# KiCad board HPM5300_ADC_EVK_RevA.kicad_pcb
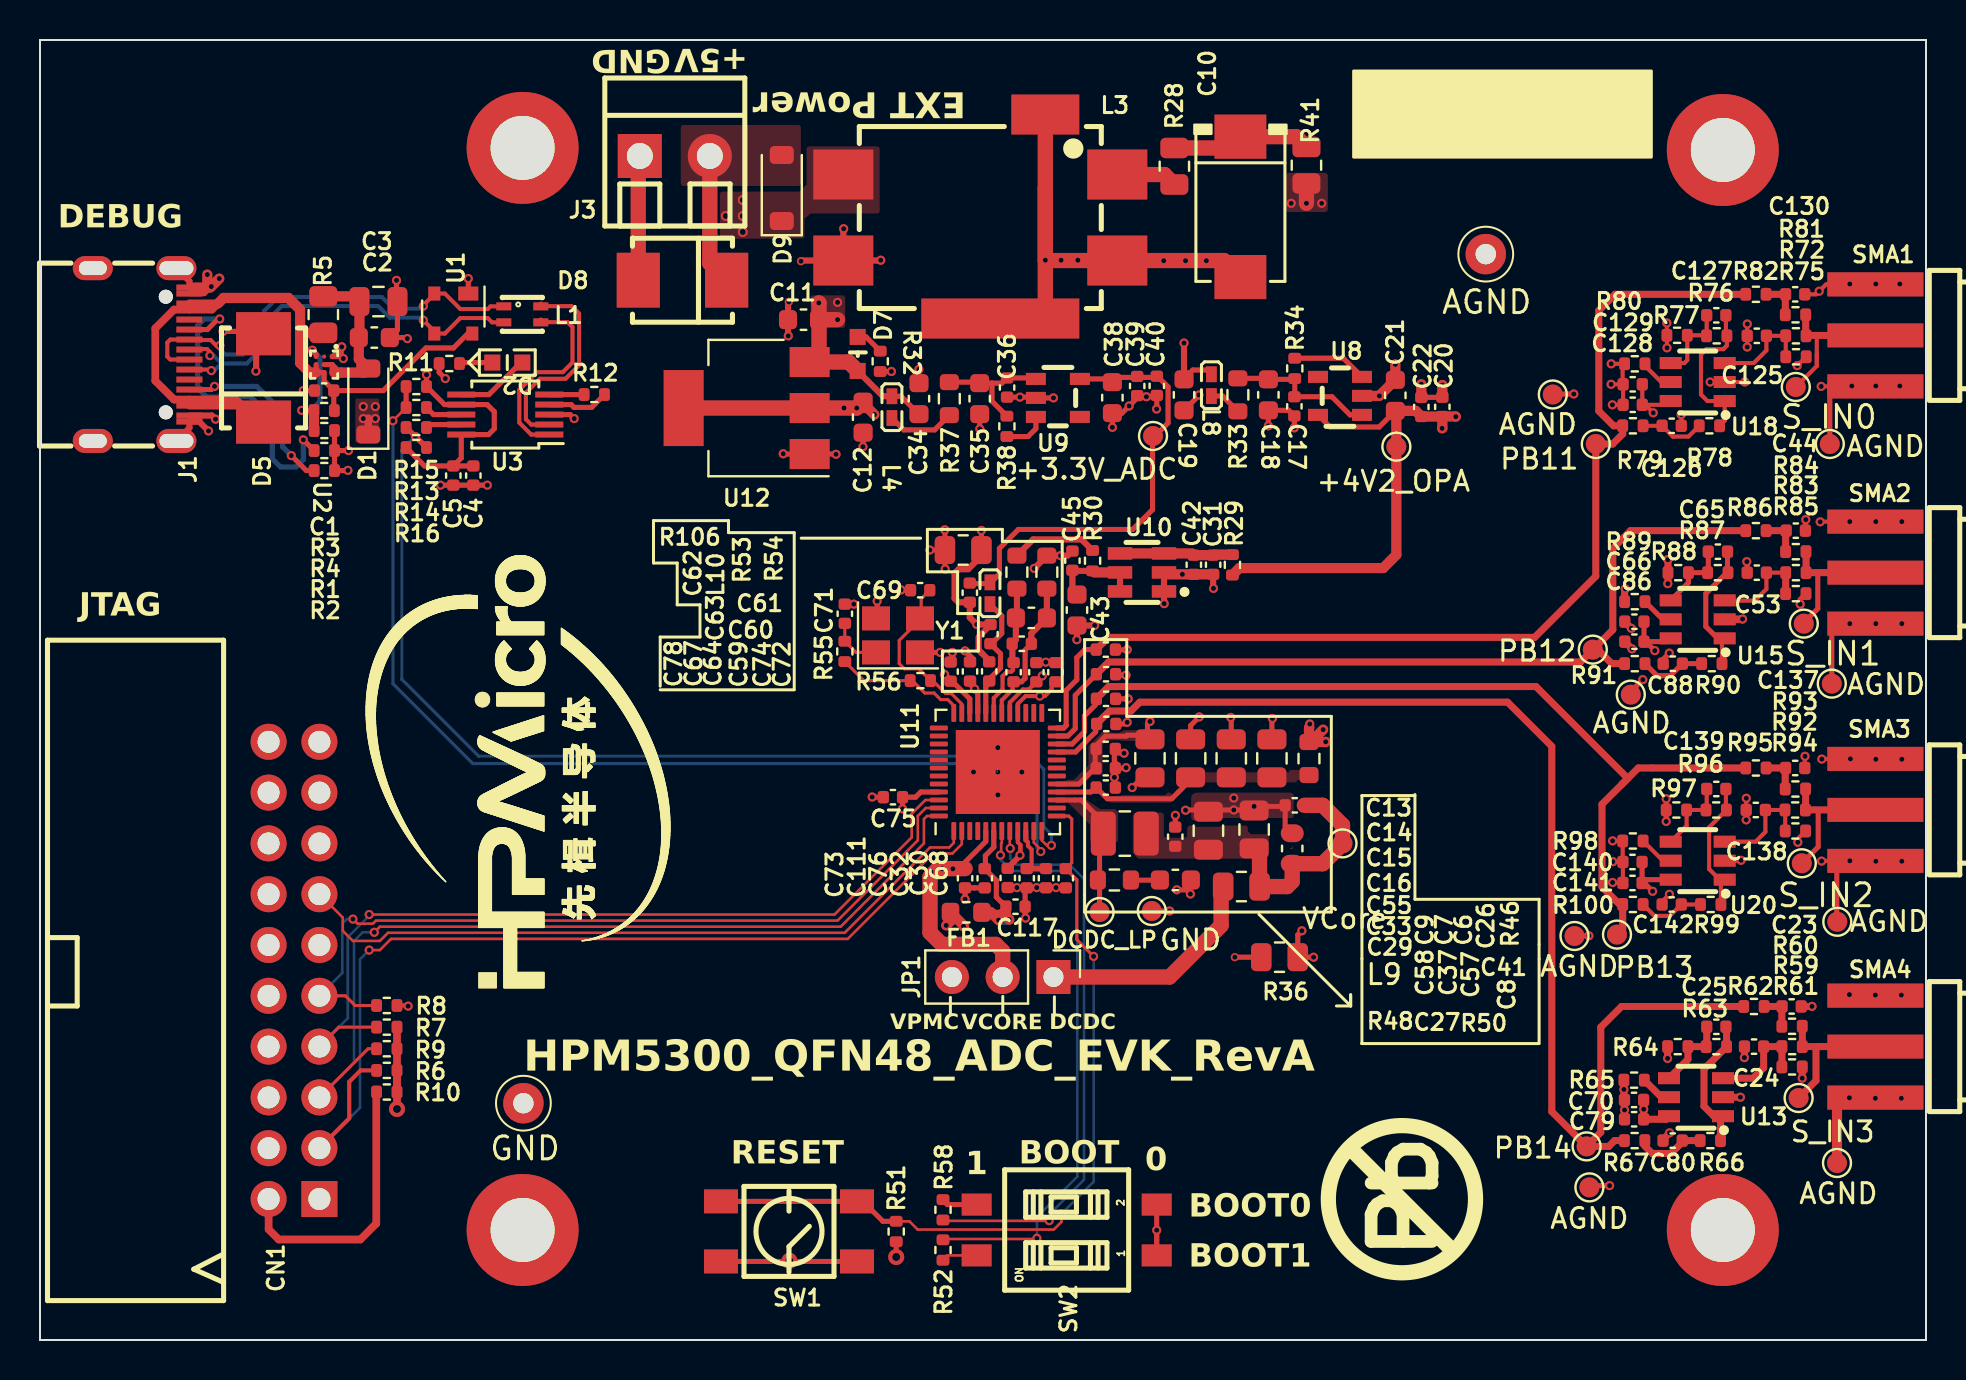
[diagram p0: board, top side]
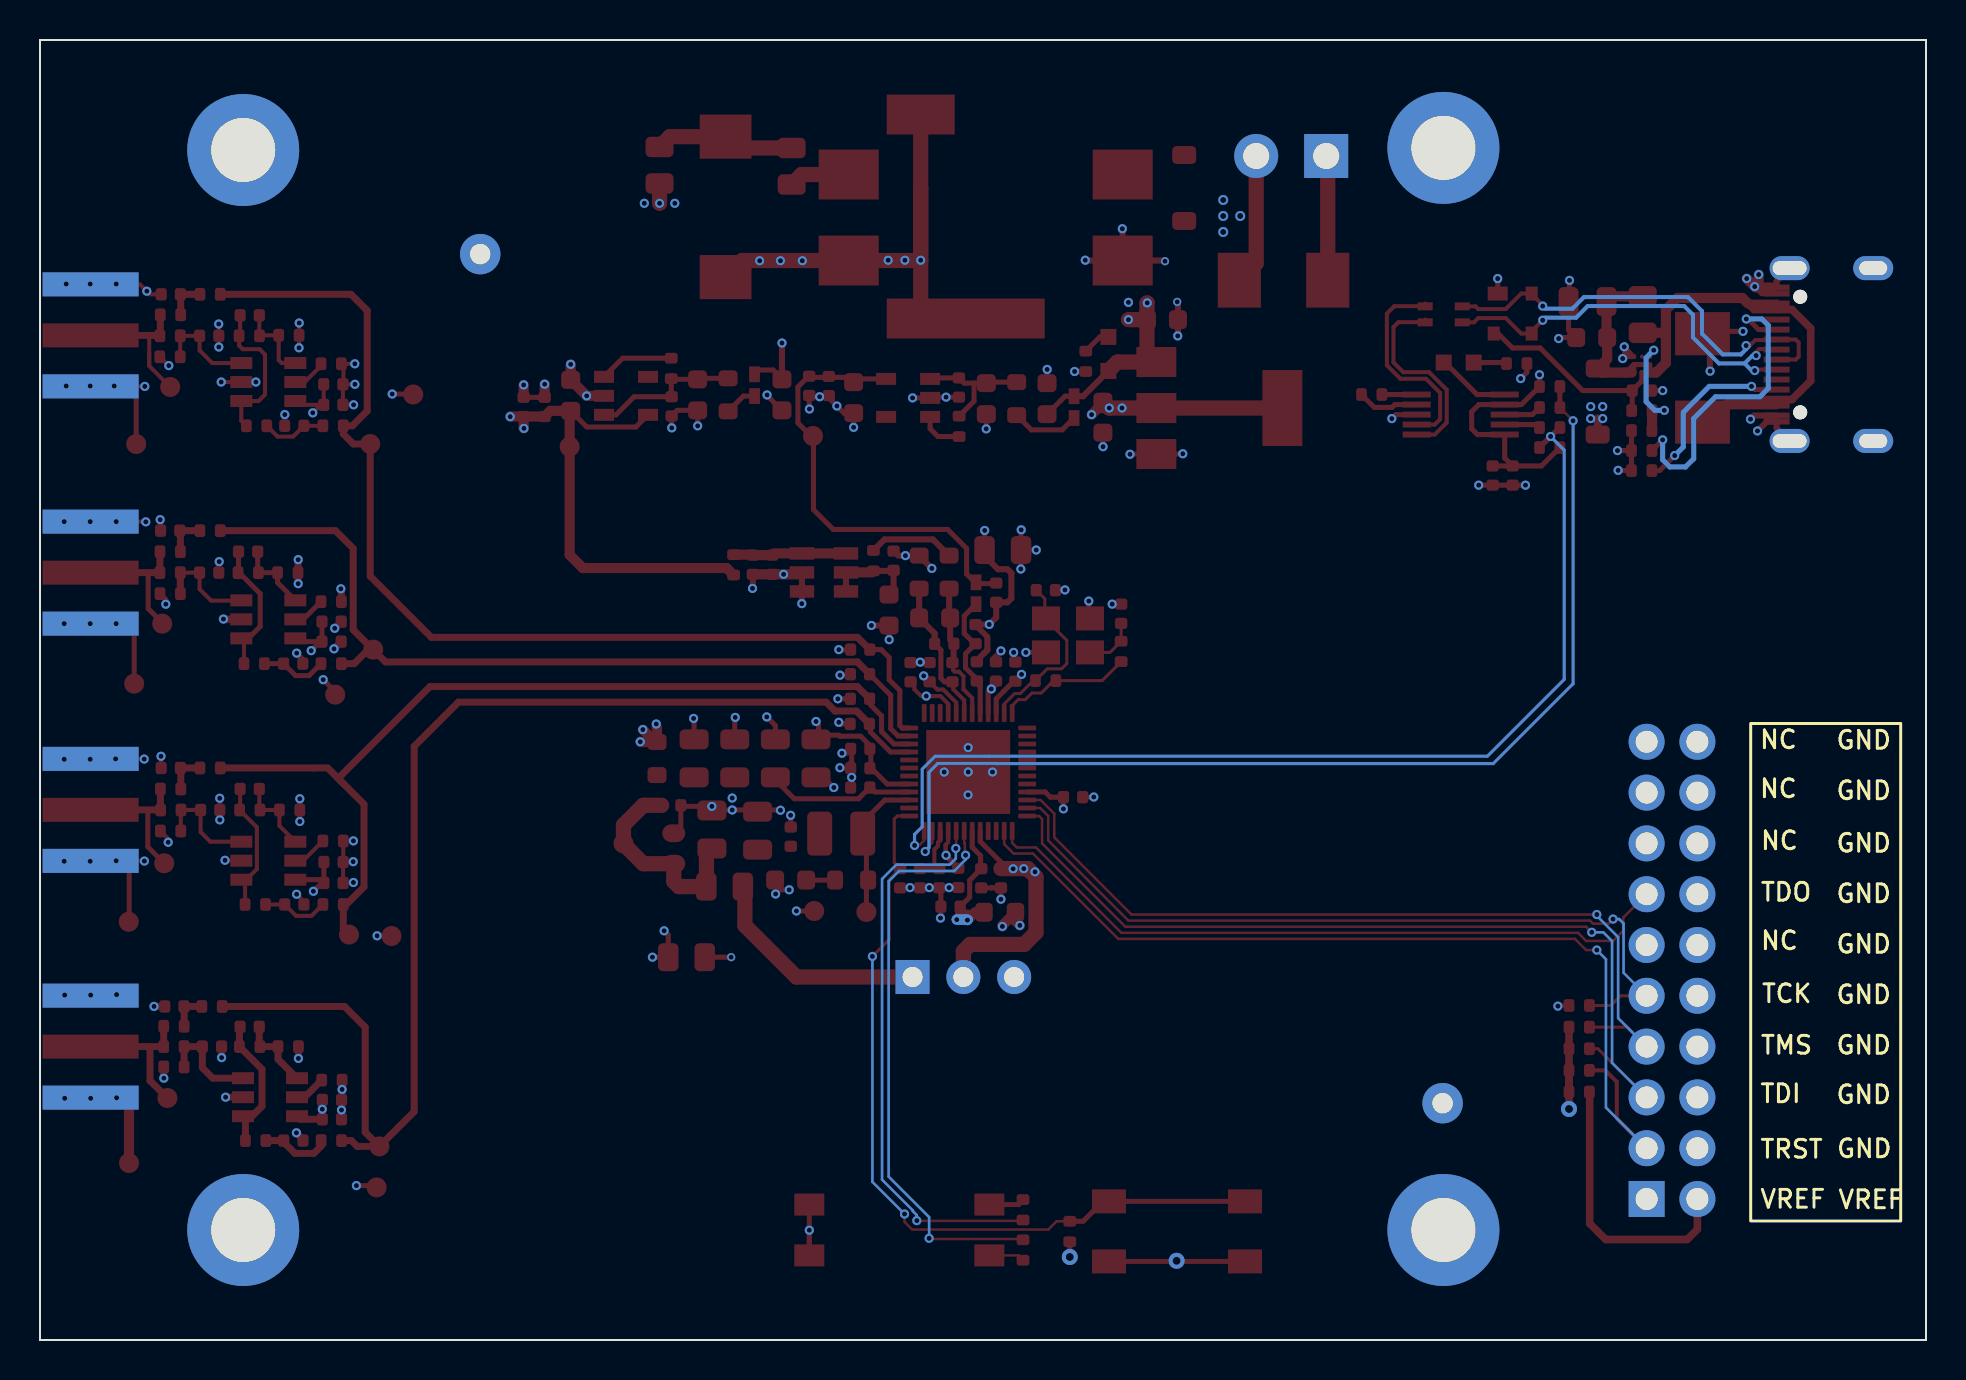
[diagram p1: board, bottom side, seen from below]

Outline 94.3 x 65 mm; copper layers: Top, In1.Cu, In2.Cu, Bottom. Coordinates in mm from the lower left corner of the outline.
Outline path: 0,65 94.3,65 94.3,0 0,0 0,65
Stack: Top 0.0351mm / dielectric 0.2103mm FR4 er 4.36 / In1.Cu 0.0152mm / dielectric 1.065mm FR4 er 4.43 / In2.Cu 0.0152mm / dielectric 0.2103mm FR4 er 4.36 / Bottom 0.0351mm

## Placement (name value [footprint] x y rotation side)
C1  0.1uF,50V  [C_0402_1005Metric]  14.21 47.47 180 top
C2  4.7uF,10V  [C_0603_1608Metric]  16.72 50.12 0 top
C3  22uF,10V  [C_0805_2012Metric]  16.92 51.92 0 top
C4  4.7uF,16V  [C_0402_1005Metric]  21.67 43.22 270 top
C5  0.1uF,16V  [C_0402_1005Metric]  20.67 43.22 270 top
C6  22uF,10V_0805  [C_0805_2012Metric]  59.56 29.08 90 top
C7  22uF,10V_0805  [C_0805_2012Metric]  57.53 29.08 90 top
C8  22uF,10V_0603  [C_0603]  62.61 24.58 90 top
C9  22uF,10V_0805  [C_0805_2012Metric]  55.5 29.08 270 top
C10  T491D107K016AT  [CAP-SMD_L7.3-W4.3-R-RD]  60.02 56.66 90 top
C11  10uF,10V  [C_0603_1608Metric]  38.18 51.02 180 top
C12  10uF,10V  [C_0603_1608Metric]  41.16 46.14 270 top
C13  10nF,50V  [C_0402_1005Metric]  53.29 34.52 0 top
C14  10nF,50V  [C_0402_1005Metric]  53.3 33.29 0 top
C15  10nF,50V  [C_0402_1005Metric]  53.3 32.06 0 top
C16  10nF,50V  [C_0402_1005Metric]  53.31 30.8 0 top
C17  0.1uF,16V  [C_0402_1005Metric]  62.72 46.68 270 top
C18  10uF,10V  [C_0603_1608Metric]  61.42 47.26 270 top
C19  10uF,10V  [C_0603_1608Metric]  57.2 47.26 270 top
C20  10nF,50V  [C_0402_1005Metric]  70.12 46.66 90 top
C21  10uF,10V  [C_0603_1608Metric]  67.77 47.23 90 top
C22  0.1uF,16V  [C_0402_1005Metric]  69.07 46.65 90 top
C23  10nF,50V  [C_0402_1005Metric]  87.58 16.68 0 top
C24  10pF,50V  [C_0402_1005Metric]  85.7 14.67 180 top
C25  1nF,50V  [C_0402_1005Metric]  83.82 15.66 180 top
C26  22uF,10V_0805  [C_0805_2012Metric]  61.59 29.08 90 top
C27  2200pF, 50V  [C_0603_1608Metric]  56.77 23 0 top
C29  0.1uF,16V  [C_0402_1005Metric]  53.29 27.62 0 top
C30  4.7uF,16V  [C_0402_1005Metric]  50.3 23.09 270 top
C31  10uF,10V  [C_0402_1005Metric]  58.66 38.76 270 top
C32  0.1uF,16V  [C_0402_1005Metric]  49.33 23.09 270 top
C33  4.7uF,16V  [C_0402_1005Metric]  53.29 28.59 0 top
C34  10uF,10V  [C_0603_1608Metric]  43.95 47.07 90 top
C35  10uF,10V  [C_0603_1608Metric]  46.98 47.07 270 top
C36  0.1uF,16V  [C_0402_1005Metric]  48.35 47.62 270 top
C37  22uF,10V_0805  [C_0805_2012Metric]  58.42 25.47 90 top
C38  10uF,10V  [C_0603_1608Metric]  53.62 47.12 270 top
C39  0.1uF,16V  [C_0402_1005Metric]  54.86 47.7 270 top
C40  10nF,50V  [C_0402_1005Metric]  55.84 47.71 270 top
C41  0.1uF,16V  [C_0402_1005Metric]  62.74 26.73 180 top
C42  0.1uF,16V  [C_0402_1005Metric]  57.69 38.76 270 top
C43  22uF,10V  [C_0603_1608Metric]  51.85 36.5 270 top
C44  10nF,50V  [C_0402_1005Metric]  87.79 40.47 0 top
C45  0.1uF,16V  [C_0402_1005Metric]  51.62 38.97 90 top
C53  10pF,50V  [C_0402_1005Metric]  85.84 38.37 180 top
C55  0.1uF,16V  [C_0402_1005Metric]  53.29 29.55 0 top
C57  22uF,10V_0805  [C_0805_2012Metric]  60.71 25.53 90 top
C58  0.1uF,16V  [C_0402_1005Metric]  56.76 25.17 90 top
C59  0.1uF,16V  [C_0402_1005Metric]  48.68 33.39 270 top
C60  4.7uF,16V  [C_0402_1005Metric]  49.09 34.81 0 top
C61  10uF,10V  [C_0603_1608Metric]  49.57 36.11 0 top
C62  0.1uF,16V  [C_0402_1005Metric]  46.49 37.37 270 top
C63  4.7uF,16V  [C_0402_1005Metric]  47.52 35.29 90 top
C64  0.1uF,16V  [C_0402_1005Metric]  47.46 33.43 90 top
C65  1nF,50V  [C_0402_1005Metric]  83.89 39.42 180 top
C66  0.1uF,16V  [C_0402_1005Metric]  79.72 35.92 180 top
C67  0.1uF,16V  [C_0402_1005Metric]  46.5 33.43 90 top
C68  0.1uF,16V  [C_0402_1005Metric]  51.29 23.09 270 top
C69  18pF,50V  [C_0402_1005Metric]  44.01 37.49 180 top
C70  0.1uF,16V  [C_0402_1005Metric]  79.7 12 180 top
C71  18pF,50V  [C_0402_1005Metric]  40.24 36.31 90 top
C72  0.1uF,16V  [C_0402_1005Metric]  50.77 33.39 90 top
C73  0.1uF,16V  [C_0402_1005Metric]  46.25 23.09 270 top
C74  0.1uF,16V  [C_0402_1005Metric]  49.82 33.39 90 top
C75  0.1uF,16V  [C_0402_1005Metric]  42.65 27.14 180 top
C76  0.1uF,16V  [C_0402_1005Metric]  48.39 23.1 270 top
C78  0.1uF,16V  [C_0402_1005Metric]  45.53 33.42 90 top
C79  1uF,16V  [C_0402_1005Metric]  79.71 11.04 180 top
C80  10nF,50V  [C_0402_1005Metric]  81.63 9.97 180 top
C86  1uF,16V  [C_0402_1005Metric]  79.72 34.92 180 top
C88  10nF,50V  [C_0402_1005Metric]  81.64 33.82 180 top
C111  0.1uF,16V  [C_0402_1005Metric]  47.24 23.09 270 top
C117  10uF,10V  [C_0402_1005Metric]  48.78 21.67 0 top
C125  10pF,50V  [C_0402_1005Metric]  85.84 50.21 180 top
C126  10nF,50V  [C_0402_1005Metric]  81.58 45.71 0 top
C127  1nF,50V  [C_0402_1005Metric]  83.81 51.23 180 top
C128  1uF,16V  [C_0402_1005Metric]  79.64 46.76 180 top
C129  0.1uF,16V  [C_0402_1005Metric]  79.64 47.78 180 top
C130  10nF,50V  [C_0402_1005Metric]  87.76 52.28 0 top
C137  10nF,50V  [C_0402_1005Metric]  87.76 28.6 0 top
C138  10pF,50V  [C_0402_1005Metric]  85.79 26.5 180 top
C139  1nF,50V  [C_0402_1005Metric]  83.81 27.55 180 top
C140  0.1uF,16V  [C_0402_1005Metric]  79.62 23.9 180 top
C141  1uF,16V  [C_0402_1005Metric]  79.62 22.85 180 top
C142  10nF,50V  [C_0402_1005Metric]  81.58 21.78 180 top
CN1  2.54-2*10P弯简牛  [IDC-TH_20P_90°]  12.7 18.48 270 top
D1  1N5819HW-7-F  [D_SOD-123]  16.42 46.92 90 top
D2  LED GREEN  [LED]  23.37 48.87 180 top
D5  SMB/DO-214AA_P6SMB6.8CA  [SMB(DO-214AA)_S1]  11.18 48.1 90 top
D7  LED_RED  [LED0603]  40.88 49.3 90 top
D8  SMB/DO-214AA_P6SMB6.8CA  [SMB(DO-214AA)_S1]  32.12 52.99 180 top
D9  1N5819HW-7-F  [D_SOD-123]  37.09 57.6 90 top
FB1  600Ω@100MHz_1.3A  [L_0603_1608Metric]  46.31 21.39 180 top
H1  MountingHole  [MountingHole_3.2mm_M3_DIN965_Pad]  24.13 5.5 0 top
H2  MountingHole  [MountingHole_3.2mm_M3_DIN965_Pad#2]  24.13 59.5 0 top
H3  MountingHole  [MountingHole_3.2mm_M3_DIN965_Pad]  84.14 59.5 0 top
H4  MountingHole  [MountingHole_3.2mm_M3_DIN965_Pad]  84.14 5.5 0 top
J1  KH-TYPE-C-16P  [USB-C-SMD_KH-TYPE-C-16P]  5.06 49.27 270 top
J3  DB125-3.5-2P-GN-S  [CONN-TH_2P-P3.50_L7.4-W7.0]  31.74 59.2 0 top
JP1  Jumper_3_Bridged12  [PinHeader_1x03_P2.54mm_Vertical]  50.67 18.15 270 top
L1  DLW21SN900SQ2L  [SMD_4P_DLW21H]  24.12 51.28 0 top
L3  BNX024H01L  [FILTER-SMD_BNX022-01L]  47.02 56.17 0 top
L4  BLM15AG102SN1D  [L0402]  42.6 46.64 270 top
L8  BLM15AG102SN1D  [L0402]  58.57 47.74 270 top
L9  4.7uH  [L_1008_2520Metric]  54.24 25.32 0 top
L10  BLM15AG102SN1D  [L0402]  47.5 37.34 270 top
R1  5.1K  [R_0402_1005Metric]  14.22 44.47 0 top
R2  5.1K  [R_0402_1005Metric]  14.22 43.47 0 top
R3  1M  [R_0402_1005Metric]  14.21 46.47 180 top
R4  249K  [R_0402_1005Metric]  14.22 45.47 180 top
R5  0R  [R_0805_2012Metric]  14.17 51.27 270 top
R6  10K  [R_0402_1005Metric]  17.34 13.48 180 top
R7  10K  [R_0402_1005Metric]  17.34 15.64 0 top
R8  10K  [R_0402_1005Metric]  17.34 16.72 180 top
R9  10K  [R_0402_1005Metric]  17.34 14.56 0 top
R10  0Ω  [R_0402_1005Metric]  17.34 12.4 0 top
R11  1K  [R_0402_1005Metric]  20.47 48.82 180 top
R12  2K  [R_0402_1005Metric]  27.72 47.27 180 top
R13  33Ω  [R_0402_1005Metric]  18.82 46.62 180 top
R14  33Ω  [R_0402_1005Metric]  18.82 45.62 180 top
R15  5.1K  [R_0402_1005Metric]  18.82 47.67 180 top
R16  5.1K  [R_0402_1005Metric]  18.82 44.62 0 top
R28  1Ω  [R_0805_2012Metric]  56.72 58.69 90 top
R29  0Ω  [R_0402_1005Metric]  59.62 38.76 90 top
R30  0Ω  [R_0402_1005Metric]  52.63 38.97 90 top
R32  2K  [R_0402_1005Metric]  42.01 48.93 270 top
R33  10Ω  [R_0603_1608Metric]  59.89 47.26 90 top
R34  10K  [R_0402_1005Metric]  62.74 48.58 270 top
R36  0Ω  [R_0805_2012Metric]  61.98 19.14 0 top
R37  10Ω  [R_0603_1608Metric]  45.47 47.07 90 top
R38  10K  [R_0402_1005Metric]  48.34 45.68 90 top
R41  0Ω  [R_0805_2012Metric]  63.32 58.74 270 top
R46  0Ω  [R_0603_1608Metric]  63.45 29.07 270 top
R48  10Ω  [R_0603_1608Metric]  53.72 23 180 top
R50  0Ω  [R_0805_2012Metric]  60.07 22.67 180 top
R51  10K  [R_0402_1005Metric]  42.81 5.42 90 top
R52  1K  [R_0402_1005Metric]  45.15 4.5 90 top
R53  0Ω  [R_0603_1608Metric]  48.84 38.39 90 top
R54  0Ω  [R_0603_1608Metric]  50.34 38.39 90 top
R55  0Ω  [R_0402_1005Metric]  40.24 34.43 270 top
R56  2M  [R_0402_1005Metric]  44.02 32.97 180 top
R58  1K  [R_0402_1005Metric]  45.15 6.51 270 top
R59  49.9Ω  [R_0402_1005Metric]  87.61 14.67 180 top
R60  49.9Ω  [R_0402_1005Metric]  87.6 15.69 180 top
R61  49.9Ω  [R_0402_1005Metric]  87.6 13.65 180 top
R62  0Ω  [R_0402_1005Metric]  85.7 16.68 180 top
R63  0Ω  [R_0402_1005Metric]  83.82 14.67 180 top
R64  1K  [R_0402_1005Metric]  81.89 14.67 180 top
R65  0Ω  [R_0402_1005Metric]  79.71 12.99 180 top
R66  2.2Ω  [R_0402_1005Metric]  83.52 9.97 180 top
R67  0Ω  [R_0402_1005Metric]  79.73 9.97 180 top
R72  49.9Ω  [R_0402_1005Metric]  87.8 50.21 180 top
R75  49.9Ω  [R_0402_1005Metric]  87.8 49.16 180 top
R76  0Ω  [R_0402_1005Metric]  83.83 50.21 180 top
R77  1K  [R_0402_1005Metric]  81.86 50.23 180 top
R78  2.2Ω  [R_0402_1005Metric]  83.47 45.71 180 top
R79  0Ω  [R_0402_1005Metric]  79.64 45.71 180 top
R80  0Ω  [R_0402_1005Metric]  79.74 48.81 180 top
R81  49.9Ω  [R_0402_1005Metric]  87.77 51.26 180 top
R82  0Ω  [R_0402_1005Metric]  85.8 52.28 180 top
R83  49.9Ω  [R_0402_1005Metric]  87.8 38.37 180 top
R84  49.9Ω  [R_0402_1005Metric]  87.79 39.42 180 top
R85  49.9Ω  [R_0402_1005Metric]  87.79 37.32 180 top
R86  0Ω  [R_0402_1005Metric]  85.8 40.47 180 top
R87  0Ω  [R_0402_1005Metric]  83.89 38.37 180 top
R88  1K  [R_0402_1005Metric]  81.91 38.37 180 top
R89  0Ω  [R_0402_1005Metric]  79.74 36.92 180 top
R90  2.2Ω  [R_0402_1005Metric]  83.59 33.82 180 top
R91  0Ω  [R_0402_1005Metric]  79.74 33.82 180 top
R92  49.9Ω  [R_0402_1005Metric]  87.76 26.5 180 top
R93  49.9Ω  [R_0402_1005Metric]  87.77 27.55 180 top
R94  49.9Ω  [R_0402_1005Metric]  87.77 25.45 180 top
R95  0Ω  [R_0402_1005Metric]  85.8 28.6 180 top
R96  0Ω  [R_0402_1005Metric]  83.81 26.5 180 top
R97  1K  [R_0402_1005Metric]  81.82 26.5 180 top
R98  0Ω  [R_0402_1005Metric]  79.64 24.95 180 top
R99  2.2Ω  [R_0402_1005Metric]  83.53 21.78 180 top
R100  0Ω  [R_0402_1005Metric]  79.64 21.78 180 top
R106  0Ω  [R_0805_2012Metric]  46.16 39.5 0 top
SMA1  SMA_C9900018296  [SMA-SMD_BWSMA-KE-P001]  91.77 50.23 0 top
SMA2  SMA_C9900018296  [SMA-SMD_BWSMA-KE-P001]  91.77 38.37 0 top
SMA3  SMA_C9900018296  [SMA-SMD_BWSMA-KE-P001]  91.77 26.51 0 top
SMA4  SMA_C9900018296  [SMA-SMD_BWSMA-KE-P001]  91.77 14.67 0 top
SW1  轻触开关4.5mm  [KEY-SMD_4P-L4.5-W4.5]  37.45 5.43 0 top
SW2  拨码开关  [SW-SMD_DM-02-V]  51.33 5.5 90 top
TP1  GND  [Test_Point_D1.02mm]  24.17 11.84 0 top
TP4  +3.3V_ADC  [TestPoint_Pad_D1.0mm]  55.65 45.2 0 top
TP6  +4V2_OPA  [TestPoint_Pad_D1.0mm]  67.82 44.67 180 top
TP7  DCDC_LP  [TestPoint_Pad_D1.0mm]  52.98 21.4 0 top
TP9  GND  [TestPoint_Pad_D1.0mm]  55.59 21.45 0 top
TP11  VCore  [TestPoint_Pad_D1.0mm]  65.13 24.83 0 top
TP12  S_IN0  [TestPoint_Pad_D1.0mm]  87.79 47.65 0 top
TP14  AGND  [TestPoint_Pad_D1.0mm]  89.85 8.85 0 top
TP15  AGND  [TestPoint_Pad_D1.0mm]  89.49 44.8 0 top
TP16  S_IN1  [TestPoint_Pad_D1.0mm]  88.19 35.82 0 top
TP17  AGND  [TestPoint_Pad_D1.0mm]  89.59 32.82 0 top
TP18  PB13  [TestPoint_Pad_D1.0mm]  78.85 20.27 0 top
TP19  AGND  [TestPoint_Pad_D1.0mm]  79.54 32.27 0 top
TP20  PB11  [TestPoint_Pad_D1.0mm]  77.79 44.8 0 top
TP21  S_IN2  [TestPoint_Pad_D1.0mm]  88.09 23.84 0 top
TP22  AGND  [TestPoint_Pad_D1.0mm]  89.86 20.91 0 top
TP23  AGND  [TestPoint_Pad_D1.0mm]  75.64 47.28 0 top
TP24  PB12  [TestPoint_Pad_D1.0mm]  77.64 34.52 0 top
TP25  AGND  [TestPoint_Pad_D1.0mm]  76.73 20.2 0 top
TP26  AGND  [Test_Point_D1.02mm]  72.29 54.29 0 top
TP27  S_IN3  [TestPoint_Pad_D1.0mm]  87.93 12.1 0 top
TP28  AGND  [TestPoint_Pad_D1.0mm]  77.47 7.63 0 top
TP29  PB14  [TestPoint_Pad_D1.0mm]  77.33 9.68 0 top
U1  PRTR5V0U2X  [SOT-143]  20.67 51.32 270 top
U2  AW33901FCR  [FCQFN-9]  14.21 48.77 270 top
U3  CH340E  [MSOP-10_3x3mm_P0.5mm]  23.27 46.27 180 top
U8  TPS7A2042PDBVR  [SOT-23-5_L2.9-W1.6-P0.95-LS2.8-BR]  65 47.21 0 top
U9  TPS7A2033PDBVR  [SOT-23-5_L2.9-W1.6-P0.95-LS2.8-BR]  50.89 47.1 180 top
U10  REF3433IDBVR  [TSOT-23-6_L2.9-W1.6-P0.95-LS2.8-TL]  55.1 38.38 180 top
U11  HPM5300QFN48  [QFN48]  47.89 28.4 90 top
U12  AMS1117-3.3  [SOT-223-3_TabPin2]  35.33 46.6 180 top
U13  OPA625IDBVR  [SOT-23-6_L2.9-W1.6-P0.95-LS2.8-BR]  82.8 12.14 0 top
U15  OPA625IDBVR  [SOT-23-6_L2.9-W1.6-P0.95-LS2.8-BR]  82.89 36.03 0 top
U18  OPA625IDBVR  [SOT-23-6_L2.9-W1.6-P0.95-LS2.8-BR]  82.89 47.9 0 top
U20  OPA625IDBVR  [SOT-23-6_L2.9-W1.6-P0.95-LS2.8-BR]  82.89 23.97 0 top
Y1  XTAL_24MHZ  [Crystal_SMD_3225-4Pin_3.2x2.5mm]  42.9 35.23 0 top

## Library data of the parts
C1-C5 C11-C22 C27 C29-C36 C38-C43 C45 C55 C58-C64 C66-C76 C78-C80 C86 C88 C111 C117 C126 C128 C129 C140-C142 = -: Description: Unpolarized capacitor
C6 C7 C9 C26 C37 C57 = -: Company: SAMSUNG(三星); Model: CL21A226MPQNNNE
C8 = -: Description: Unpolarized capacitor; Company: SAMSUNG(三星); Model: CL10A226MP8NUNE
C10 = -: SuppliersPartNumber: C110548; uuid: std:fa6f47a1cd634a48b153a792f2868b11
C23-C25 C44 C53 C65 C125 C127 C130 C137-C139 = -: Description: Unpolarized capacitor; DNP: DNP
CN1 = -: SuppliersPartNumber: C93700
D1 D9 = -: SuppliersPartNumber: C115726
D2 D7 = -: Description: Light emitting diode
D5 D8 = -: Comment: P6SMB6.8CA; ComponentLink1Description: 供应商链接; Package: SMB/DO-214AA; Supplier: LC; SuppliersPartNumber: C78395; description: TVS
FB1 = -: Description: Ferrite bead, small symbol; Company: muRata(村田); Model: BLM18KG601SN1D
H1-H4 = -: Description: Mounting Hole without connection
J1 = -: Description: kinghelm(金航标)
J3 = -: SuppliersPartNumber: C466970; uuid: std:f941f515b5f84499a781072d7f67603b
JP1 = -: Description: Jumper, 3-pole, pins 1+2 closed/bridged
L3 = -: SuppliersPartNumber: C124739; uuid: std:4caaedfd5ace4634969c82584ff1f893
L4 L8 L10 = -: SuppliersPartNumber: C76883; uuid: std:31453510072c4f8e98ec6bbf092c7702
L9 = -: Model: DFE252012F-4R7M; SuppliersPartNumber: C83415
R1-R4 R6-R9 R11 R13-R16 R28-R30 R32-R34 R37 R38 R41 R46 R48 R50 R51 R53-R56 R60 R62 R63 R65 R66 R76 R78 R80-R82 R84 R86 R87 R89 R90 R93 R95 R96 R98 R99 R106 = -: Description: Resistor
R5 R10 R12 R36 R59 R61 R64 R67 R72 R75 R77 R79 R83 R85 R88 R91 R92 R94 R97 R100 = -: Description: Resistor; DNP: DNP
R52 R58 = -: Description: Resistor; Company: UNI-ROYAL(厚声); Model: 0402WGF1001TCE
SMA1-SMA4 = -: SuppliersPartNumber: C9900018296; uuid: std:54ec4f79ad824cb2bdc504487557a48c
SW1 = -: SuppliersPartNumber: C221747
SW2 = -: Company: 圜达; Model: DM-02-V
TP1 TP12 TP14-TP29 = -: Description: PC TEST POINT MINIATURE WHITE; Category: Test and Measurement; DK_Datasheet_Link: http://www.keyelco.com/product-pdf.cfm?p=1311; DK_Detail_Page: /product-detail/en/keystone-electronics/5002/36-5002-ND/255328; Digi-Key_PN: 36-5002-ND; Family: Test Points; MPN: 5002; Manufacturer: Keystone Electronics; Status: Active
TP4 TP6 TP7 TP9 TP11 = -: Description: test point
U1 = -: Description: PRTR5V0U2X,SOT-143B,NXP,RoHS; COMPONENTLINK1DESCRIPTION: ErpDataInfo; COMPONENTLINK1URL: http://erp.zlgmcu.com/ErpExt/ErpData/ListMateriel.aspx?pkey=1.05.10.0153; ROHS: RoHS; 厂商: NXP; 名称: 集成电路; 器件优选方案: 量产物料,优先选用; 封装: SOT-143B; 物料代码: 1.05.10.0153; 设备封装名称: SOT-143B_PRTR5V0U2X; 贴片和直插: SMT
U2 = -: SuppliersPartNumber: C506184
U3 = -: Description: USB serial converter, UART, MSOP-10
U8 = -: SuppliersPartNumber: C2877861; uuid: std:86b2ac9aec524e94ada921671f19668d
U9 = -: SuppliersPartNumber: C2862740; uuid: std:2e31b5861a784133b2ecb561012a4cf5
U10 = -: SuppliersPartNumber: C882722; uuid: std:0c9ceb81bcbd48178b467e87fa28b230
U12 = -: Description: 1A Low Dropout regulator, positive, 3.3V fixed output, SOT-223
U13 U15 U18 U20 = -: SuppliersPartNumber: C495362; uuid: std:90e4ce1759de412d9bf8c9107a5f1053

## Footprints (pads in the part's own frame, mm; a bottom-side part is the same pattern mirrored in y, then rotated)
C_0402_1005Metric
  rrect 0.56x0.62 smd: 1(-0.48,0) 2(0.48,0)
C_0603
  oval 0.889x1.143 smd: 1(-0.762,0) 2(0.762,0)
C_0603_1608Metric
  rrect 0.9x0.95 smd: 1(-0.775,0) 2(0.775,0)
C_0805_2012Metric
  rrect 1x1.45 smd: 1(-0.95,0) 2(0.95,0)
CAP-SMD_L7.3-W4.3-R-RD
  rect 2.207x2.592 smd: 1(3.511,0) 2(-3.511,0)
CONN-TH_2P-P3.50_L7.4-W7.0
  rect 2.2x2.2 hole 1.3: 1(-1.75,0)
  round 2.2 hole 1.3: 2(1.75,0)
Crystal_SMD_3225-4Pin_3.2x2.5mm
  rect 1.4x1.2 smd: 1(-1.1,-0.85) 2(1.1,-0.85) 3(1.1,0.85) 4(-1.1,0.85)
D_SOD-123
  rrect 0.9x1.2 smd: 1(-1.65,0) 2(1.65,0)
FCQFN-9
  rect 0.2x0.2 smd: A1(-0.4,0.4)
  round 0.2 smd: A2(0,0.4) A3(0.4,0.4) B1(-0.4,0) B2(0,0) B3(0.4,0) C1(-0.4,-0.4) C2(0,-0.4) C3(0.4,-0.4)
FILTER-SMD_BNX022-01L
  rect 3x2.5 smd: 1(-6.85,2.1) 2(6.85,2.1) 3(-6.85,-2.2) 4(6.85,-2.2)
  rect 3.4x2 smd: 5(3.25,5.1)
  rect 7.9x2 smd: 6(1,-5.1)
IDC-TH_20P_90°
  rect 1.8x1.8 hole 1.1: 1(11.43,1.27)
  round 1.8 hole 1.1: 2(11.43,-1.27) 3(8.89,1.27) 4(8.89,-1.27) 5(6.35,1.27) 6(6.35,-1.27) 7(3.81,1.27) 8(3.81,-1.27) 9(1.27,1.27) 10(1.27,-1.27) 11(-1.27,1.27) 12(-1.27,-1.27) 13(-3.81,1.27) 14(-3.81,-1.27) 15(-6.35,1.27) 16(-6.35,-1.27) 17(-8.89,1.27) 18(-8.89,-1.27) 19(-11.43,1.27) 20(-11.43,-1.27)
KEY-SMD_4P-L4.5-W4.5
  rect 1.699x1.199 smd: 1(-3.401,-1.501) 2(3.401,-1.501) 3(3.401,1.501) 4(-3.401,1.501)
L0402
  rect 0.79x0.54 smd: 1(-0.545,0) 2(0.545,0)
L_0603_1608Metric
  rrect 0.875x0.95 smd: 1(-0.787,0) 2(0.787,0)
L_1008_2520Metric
  rrect 1.25x2.2 smd: 1(-1.075,0) 2(1.075,0)
LED
  rect 0.8x0.8 smd: 1(0.75,0) 2(-0.75,0)
LED0603
  rect 0.8x0.8 smd: 1(0.851,0) 2(-0.851,0)
MountingHole_3.2mm_M3_DIN965_Pad
  round 5.6 hole 3.2: 1(0,0)
MountingHole_3.2mm_M3_DIN965_Pad#2
  round 5.6 hole 3.2: 1(0,0.105)
MSOP-10_3x3mm_P0.5mm
  rect 1.4x0.3 smd: 1(-2.2,1) 2(-2.2,0.5) 3(-2.2,0) 4(-2.2,-0.5) 5(-2.2,-1) 6(2.2,-1) 7(2.2,-0.5) 8(2.2,0) 9(2.2,0.5) 10(2.2,1)
PinHeader_1x03_P2.54mm_Vertical
  rect 1.7x1.7 hole 1: 1(0,0)
  oval 1.7x1.7 hole 1: 2(0,-2.54) 3(0,-5.08)
QFN48
  rrect 1.13x1.13 smd: (-1.4,1.4) (-1.4,0) (-1.4,-1.4) (0,1.4) (0,0) (0,-1.4) (1.4,1.4) (1.4,0) (1.4,-1.4)
  rrect 0.9x0.24 smd: 1(-2.95,2.2) 2(-2.95,1.8) 3(-2.95,1.4) 4(-2.95,1) 5(-2.95,0.6) 6(-2.95,0.2) 7(-2.95,-0.2) 8(-2.95,-0.6) 9(-2.95,-1) 10(-2.95,-1.4) 11(-2.95,-1.8) 12(-2.95,-2.2) 25(2.95,-2.2) 26(2.95,-1.8) 27(2.95,-1.4) 28(2.95,-1) 29(2.95,-0.6) 30(2.95,-0.2) 31(2.95,0.2) 32(2.95,0.6) 33(2.95,1) 34(2.95,1.4) 35(2.95,1.8) 36(2.95,2.2)
  rrect 0.24x0.9 smd: 13(-2.2,-2.95) 14(-1.8,-2.95) 15(-1.4,-2.95) 16(-1,-2.95) 17(-0.6,-2.95) 18(-0.2,-2.95) 19(0.2,-2.95) 20(0.6,-2.95) 21(1,-2.95) 22(1.4,-2.95) 23(1.8,-2.95) 24(2.2,-2.95) 37(2.2,2.95) 38(1.8,2.95) 39(1.4,2.95) 40(1,2.95) 41(0.6,2.95) 42(0.2,2.95) 43(-0.2,2.95) 44(-0.6,2.95) 45(-1,2.95) 46(-1.4,2.95) 47(-1.8,2.95) 48(-2.2,2.95)
  rect 4.2x4.2 smd: 49(0,0)
R_0402_1005Metric
  rrect 0.54x0.64 smd: 1(-0.51,0) 2(0.51,0)
R_0603_1608Metric
  rrect 0.8x0.95 smd: 1(-0.825,0) 2(0.825,0)
R_0805_2012Metric
  rrect 1.025x1.4 smd: 1(-0.912,0) 2(0.912,0)
SMA-SMD_BWSMA-KE-P001
  rect 4.8x1.2 smd: 1(0,-2.55) 2(0,2.55) 5(0,0)
  rect 4.8x1.2 smd far side: 3(0,2.55) 4(0,-2.55)
SMB(DO-214AA)_S1
  rect 2.159x2.743 smd: 1(2.21,0) 2(-2.21,0)
SMD_4P_DLW21H
  rect 0.75x0.4 smd: 1(-0.925,0.4) 2(0.925,0.4) 3(0.925,-0.4) 4(-0.925,-0.4)
SOT-23-5_L2.9-W1.6-P0.95-LS2.8-BR
  rect 1x0.6 smd: 1(1.1,-0.95) 2(1.1,0) 3(1.1,0.95) 4(-1.1,0.95) 5(-1.1,-0.95)
SOT-23-6_L2.9-W1.6-P0.95-LS2.8-BR
  rect 1.1x0.6 smd: 1(1.35,-0.95) 2(1.35,0) 3(1.35,0.95) 4(-1.35,0.95) 5(-1.35,0) 6(-1.35,-0.95)
SOT-143
  rect 0.7x1 smd: 1(-1,0.75)
  rect 0.7x0.6 smd: 2(-1,-0.95) 3(1,-0.95) 4(1,0.95)
SOT-223-3_TabPin2
  rect 2x1.5 smd: 1(-3.15,2.3) 2(-3.15,0) 3(-3.15,-2.3)
  rect 2x3.8 smd: 2(3.15,0)
SW-SMD_DM-02-V
  rect 1.1x1.501 smd: 1(-1.27,-4.501) 2(1.27,-4.501) 3(1.27,4.501) 4(-1.27,4.501)
Test_Point_D1.02mm
  round 2.02 hole 1.02: 1(0,0)
TestPoint_Pad_D1.0mm
  round 1 smd: 1(0,0)
TSOT-23-6_L2.9-W1.6-P0.95-LS2.8-TL
  rect 1.219x0.622 smd: 1(-1.1,0.95) 2(-1.1,0) 3(-1.1,-0.95) 4(1.1,-0.95) 5(1.1,0) 6(1.1,0.95)
USB-C-SMD_KH-TYPE-C-16P
  round 0.7 hole 0.7 unplated: (-2.89,1.235) (2.89,1.235)
  oval 1.2x2 hole 0.7x1.7: 1(-4.32,1.765) 2(4.32,1.765)